# KiCad board MXKeyboard.kicad_pcb (continued)
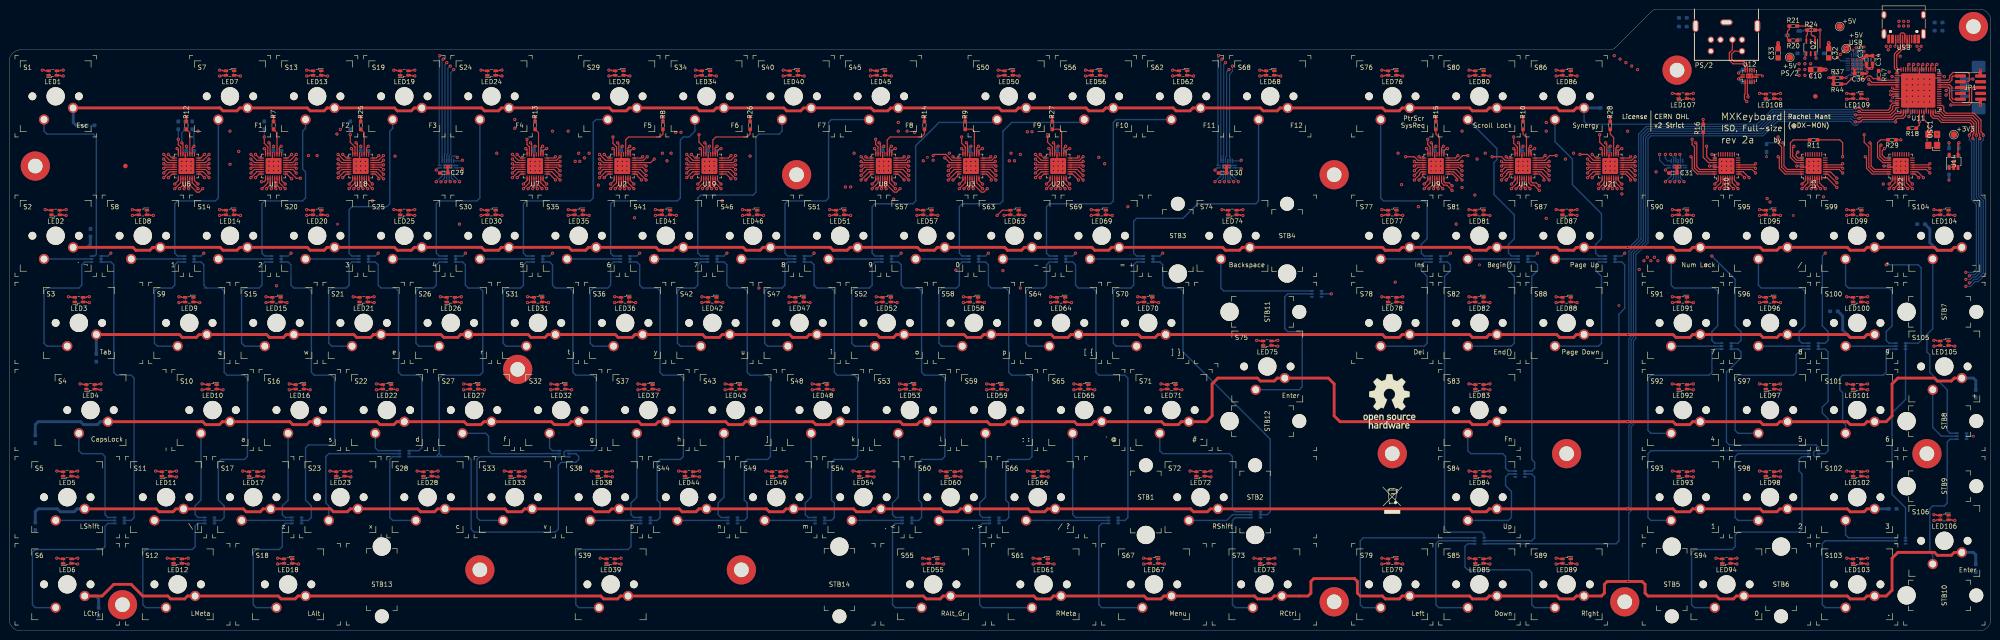
[diagram p0: board, top side]
## Routing (per net, layer and track width the routed paths; a pad name or vN(x,y) marks a point on that pad's centre or on a via; arc(x,y) is an arc through that point) (continued)
Net-(LED8-Pad3): length 33.5
  Top w0.254: v1(53.85,99.06) 54.64,99.85 U1.8 ; v1(26.92,90.81) 27.43,90.81 27.57,90.94 LED8.3
  Route10 w0.254: v1(53.85,99.06) 53.09,98.3 50.67,98.3 49.53,97.16 48.89,97.16 43.81,92.08 29.84,92.08 28.58,90.81 v1(26.92,90.81)
Net-(LED9-Pad2): length 28.8
  Top w0.254: v1(36.19,97.66) 36.98,98.45 U6.9 ; LED9.2 37.73,72.89 37.59,73.03 v1(37.08,73.03)
  Route4 w0.254: v1(37.08,73.03) 37.08,74.68 36.83,74.93 36.83,94.87 35.43,96.27 35.43,96.9 v1(36.19,97.66)
Net-(LED9-Pad3): length 42.8
  Top w0.254: v1(55.12,98.17) 55.75,98.17 56.04,98.45 U1.9 ; LED9.3 37.73,71.89 37.59,71.76 v1(37.08,71.76)
  Route10 w0.254: v1(55.12,98.17) 53.98,98.17 53.47,97.66 51.05,97.66 49.91,96.52 49.28,96.52 44.2,91.44 40,91.44 39.37,90.81 39.37,72.39 38.73,71.76 v1(37.08,71.76)
Net-(LED10-Pad2): length 62.2
  Top w0.254: v1(36.19,96.65) 37.48,97.94 U6.10 ; v1(42.16,53.98) 42.67,53.98 42.81,53.84 LED10.2
  Route4 w0.254: v1(36.19,96.65) 37.47,95.38 37.47,75.57 38.1,74.93 47.62,74.93 48.26,74.3 48.26,56.52 45.72,53.98 v1(42.16,53.98)
Net-(LED10-Pad3): length 59.9
  Top w0.254: v1(55.24,96.65) 56.54,97.94 U1.10 ; v1(42.16,52.71) 42.67,52.71 42.81,52.84 LED10.3
  Route10 w0.254: v1(55.24,96.65) 56.52,95.38 56.52,78.11 55.88,77.47 48.89,77.47 48.26,76.84 48.26,57.15 43.81,52.71 v1(42.16,52.71)
Net-(LED11-Pad2): length 94.4
  Top w0.254: v1(37.21,96.65) 37.98,97.42 U6.11 ; v1(36.58,33.66) 36.07,33.66 35.93,33.79 LED11.2
  Route4 w0.254: v1(37.21,96.65) 38.1,95.76 38.1,76.2 38.73,75.57 48.26,75.57 48.89,74.93 48.89,56.52 49.53,55.88 51.43,55.88 52.07,55.25 52.07,38.1 51.43,37.47 45.72,37.47 45.08,36.83 45.08,34.29 44.45,33.66 v1(36.58,33.66)
Net-(LED11-Pad3): length 86.1
  Top w0.254: v1(56.26,96.65) 57.04,97.42 U1.11 ; v1(36.58,34.93) 36.07,34.93 35.93,34.79 LED11.3
  Route10 w0.254: v1(36.58,34.93) 42.55,34.93 52.07,44.45 52.07,55.25 51.43,55.88 49.53,55.88 48.89,56.52 48.89,76.2 49.53,76.84 56.52,76.84 57.15,77.47 57.15,95.76 v1(56.26,96.65)
Net-(LED12-Pad2): length 111.2
  Top w0.254: v1(38.23,96.65) 38.48,96.91 U6.12 ; LED12.2 38.47,14.74 38.61,14.61 v1(39.12,14.61)
  Route4 w0.254: v1(38.23,96.65) 38.73,96.14 38.73,76.84 39.37,76.2 48.89,76.2 49.53,75.57 49.53,57.15 50.17,56.52 52.07,56.52 52.7,55.88 52.7,37.47 52.07,36.83 46.36,36.83 45.72,36.2 45.72,15.24 45.08,14.61 v1(39.12,14.61)
Net-(LED12-Pad3): length 103.3
  Top w0.254: v1(57.28,96.65) 57.54,96.91 U1.12 ; LED12.3 38.47,15.74 38.61,15.88 v1(39.12,15.88)
  Route10 w0.254: v1(39.12,15.88) 43.81,15.88 44.45,16.51 44.45,35.56 52.7,43.82 52.7,55.88 52.07,56.52 50.17,56.52 49.53,57.15 49.53,75.57 50.17,76.2 57.15,76.2 57.79,76.84 57.79,96.14 v1(57.28,96.65)
Net-(LED13-Pad2): length 53.8
  Top w0.254: v1(39.24,96.65) 38.98,96.91 U6.13 ; v1(65.02,122.56) 65.53,122.56 65.67,122.42 LED13.2
  Route4 w0.254: v1(41.27,109.22) 40.64,109.86 40.64,119.38 41.27,120.02 59.69,120.02 62.23,122.56 v1(65.02,122.56)
  Route6 w0.254: v1(41.27,109.22) 41.66,108.84 41.66,99.7 39.24,97.28 v1(39.24,96.65)
Net-(LED13-Pad3): length 39.1
  Top w0.254: U1.13 58.04,96.91 v1(58.29,96.65) ; v1(65.02,121.29) 65.53,121.29 65.67,121.42 LED13.3
  Route4 w0.254: v1(65.4,103.89) 65.4,96.39 64.77,95.76 59.18,95.76 v1(58.29,96.65)
  Route10 w0.254: v1(65.02,121.29) 65.02,119 64.14,118.11 64.14,115.57 67.31,112.4 67.31,110.49 65.4,108.59 v1(65.4,103.89)
Net-(LED14-Pad2): length 17
  Top w0.254: v1(42.29,96.65) 41.53,95.89 41.02,95.89 39.48,97.42 U6.14 ; v1(45.97,92.08) 46.48,92.08 46.62,91.94 LED14.2
  Route4 w0.254: v1(45.97,92.08) 41.27,92.08 40.64,92.71 40.64,95 v1(42.29,96.65)
Net-(LED14-Pad3): length 22.8
  Top w0.254: v1(59.31,96.65) 58.54,97.42 U1.14 ; LED14.3 46.62,90.94 46.48,90.81 v1(45.97,90.81)
  Route10 w0.254: v1(59.31,96.65) 58.55,97.41 54.86,97.41 53.98,96.52 53.98,92.71 53.34,92.08 48.89,92.08 47.62,90.81 v1(45.97,90.81)
Net-(LED15-Pad2): length 43.5
  Top w0.254: v1(41.27,96.65) 39.98,97.94 U6.15 ; LED15.2 56.78,72.89 56.64,73.03 v1(56.13,73.03)
  Route4 w0.254: v1(56.13,73.03) 51.43,73.03 50.8,73.66 50.8,76.84 50.17,77.47 40.64,77.47 40,78.11 40,95.38 v1(41.27,96.65)
Net-(LED15-Pad3): length 32.5
  Top w0.254: v1(60.33,96.65) 59.04,97.94 U1.15 ; LED15.3 56.78,71.89 56.64,71.76 v1(56.13,71.76)
  Route10 w0.254: v1(60.33,96.65) 59.05,95.38 59.05,76.84 59.69,76.2 59.69,73.66 57.79,71.76 v1(56.13,71.76)
Net-(LED16-Pad2): length 67.6
  Top w0.254: v1(41.27,97.66) 40.48,98.45 U6.16 ; v1(61.21,53.98) 61.72,53.98 61.86,53.84 LED16.2
  Route4 w0.254: v1(41.27,97.66) 39.37,95.76 39.37,77.47 40,76.84 49.53,76.84 50.17,76.2 50.17,57.79 50.8,57.15 52.7,57.15 53.34,56.52 53.34,54.61 53.98,53.98 v1(61.21,53.98)
Net-(LED16-Pad3): length 60.3
  Top w0.254: v1(60.33,97.66) 59.54,98.45 U1.16 ; LED16.3 61.86,52.84 61.72,52.71 v1(61.21,52.71)
  Route10 w0.254: v1(61.21,52.71) 62.86,52.71 67.95,57.79 67.95,76.2 67.31,76.84 60.33,76.84 59.69,77.47 59.69,94.87 61.09,96.27 61.09,96.9 v1(60.33,97.66)
Net-(LED17-Pad2): length 103.8
  Top w0.254: v1(42.67,99.06) 41.88,99.85 U6.17 ; LED17.2 54.98,33.79 55.12,33.66 v1(55.63,33.66)
  Route4 w0.254: v1(42.67,99.06) 43.43,98.3 46.86,98.3 56.52,88.65 56.52,76.84 57.15,76.2 67.95,76.2 68.58,75.57 68.58,56.52 69.21,55.88 70.48,55.88 71.12,55.25 71.12,38.1 70.48,37.47 64.77,37.47 64.14,36.83 64.14,34.29 63.5,33.66 v1(55.63,33.66)
Net-(LED17-Pad3): length 86.9
  Top w0.254: v1(61.72,98.81) 60.68,99.85 U1.17 ; v1(55.63,34.93) 55.12,34.93 54.98,34.79 LED17.3
  Route10 w0.254: v1(61.72,98.81) 61.72,95.89 60.33,94.49 60.33,78.11 60.96,77.47 67.95,77.47 68.58,76.84 68.58,56.52 69.21,55.88 70.48,55.88 71.12,55.25 71.12,44.45 61.59,34.93 v1(55.63,34.93)
Net-(LED18-Pad2): length 120.2
  Top w0.254: v1(43.69,99.06) 42.4,100.35 U6.18 ; v1(58.67,15.88) 59.18,15.88 59.32,15.74 LED18.2
  Route4 w0.254: v1(58.67,15.88) 64.14,15.88 64.77,16.51 64.77,36.2 65.4,36.83 71.12,36.83 71.76,37.47 71.76,55.88 71.12,56.52 69.85,56.52 69.21,57.15 69.21,76.2 68.58,76.84 57.79,76.84 57.15,77.47 57.15,89.03 47.12,99.06 v1(43.69,99.06)
Net-(LED18-Pad3): length 113.1
  Top w0.254: v1(63.63,98.93) 62.74,98.93 61.32,100.35 U1.18 ; LED18.3 59.32,14.74 59.18,14.61 v1(58.67,14.61)
  Route10 w0.254: v1(63.63,98.93) 66.04,98.93 76.83,88.14 76.83,77.47 76.2,76.84 69.85,76.84 69.21,76.2 69.21,57.15 69.85,56.52 71.12,56.52 71.76,55.88 71.76,43.82 64.77,36.83 64.77,16.51 64.14,15.88 61.59,15.88 60.33,14.61 v1(58.67,14.61)
Net-(LED19-Pad2): length 62.5
  Top w0.254: v1(43.69,100.08) 42.91,100.85 U6.19 ; LED19.2 88,121.42 88.14,121.29 v1(88.65,121.29)
  Route4 w0.254: v1(48.26,109.22) 50.8,111.76 53.98,111.76 62.23,120.02 76.2,120.02 77.47,121.29 v1(88.65,121.29)
  Route6 w0.254: v1(48.26,109.22) 45.72,109.22 45.08,108.59 45.08,100.71 44.45,100.08 v1(43.69,100.08)
Net-(LED19-Pad3): length 43.7
  Top w0.254: v1(62.74,100.08) 61.96,100.85 U1.19 ; v1(88.65,122.56) 88.14,122.56 88,122.42 LED19.3
  Route6 w0.254: v1(67.31,103.89) 67.31,103.76 63.63,100.08 v1(62.74,100.08)
  Route10 w0.254: v1(88.65,122.56) 86.99,122.56 85.73,121.29 77.47,121.29 76.83,120.65 76.83,116.21 67.31,106.68 v1(67.31,103.89)
Net-(LED20-Pad2): length 29.8
  Top w0.254: v1(43.69,101.09) 43.43,101.35 U6.20 ; v1(65.02,92.08) 65.53,92.08 65.67,91.94 LED20.2
  Route4 w0.254: v1(48.26,101.98) 58.17,92.08 v1(65.02,92.08)
  Route10 w0.254: v1(48.26,101.98) 47.37,101.09 v1(43.69,101.09)
Net-(LED20-Pad3): length 16.8
  Top w0.254: v1(62.74,101.09) 62.48,101.35 U1.20 ; v1(65.02,90.81) 65.53,90.81 65.67,90.94 LED20.3
  Route10 w0.254: v1(65.02,90.81) 63.5,90.81 62.86,91.44 62.86,98.81 61.98,99.7 61.98,100.46 62.61,101.09 v1(62.74,101.09)
Net-(LED21-Pad2): length 61.8
  Top w0.254: v1(43.69,102.11) 43.43,101.85 U6.21 ; v1(79.76,71.76) 79.25,71.76 79.11,71.89 LED21.2
  Route4 w0.254: v1(79.76,71.76) 78.11,71.76 77.47,72.39 77.47,76.84 76.83,77.47 58.42,77.47 57.79,78.11 57.79,89.41 45.08,102.11 v1(43.69,102.11)
Net-(LED21-Pad3): length 41.7
  Top w0.254: v1(62.74,102.11) 62.48,101.85 U1.21 ; v1(79.76,73.03) 79.25,73.03 79.11,72.89 LED21.3
  Route10 w0.254: v1(79.76,73.03) 78.11,73.03 77.47,73.66 77.47,88.52 63.88,102.11 v1(62.74,102.11)
Net-(LED22-Pad2): length 90.8
  Top w0.254: v1(43.69,103.12) 42.91,102.35 U6.22 ; v1(80.26,53.98) 80.77,53.98 80.91,53.84 LED22.2
  Route4 w0.254: v1(43.69,103.12) 45.08,103.12 58.42,89.79 58.42,78.74 59.05,78.11 85.09,78.11 85.73,77.47 85.73,56.52 83.18,53.98 v1(80.26,53.98)
Net-(LED22-Pad3): length 72.6
  Top w0.254: v1(62.74,103.12) 61.96,102.35 U1.22 ; v1(80.26,52.71) 80.77,52.71 80.91,52.84 LED22.3
  Route10 w0.254: v1(80.26,52.71) 81.92,52.71 86.36,57.15 86.36,74.93 85.73,75.57 78.74,75.57 78.11,76.2 78.11,88.9 63.88,103.12 v1(62.74,103.12)
Net-(LED23-Pad2): length 126.1
  Top w0.254: v1(43.69,104.14) 42.4,102.85 U6.23 ; LED23.2 74.03,33.79 74.17,33.66 v1(74.68,33.66)
  Route4 w0.254: v1(43.69,104.14) 45.08,104.14 59.05,90.17 59.05,79.38 59.69,78.74 85.73,78.74 86.36,78.11 86.36,56.52 86.99,55.88 89.54,55.88 90.17,55.25 90.17,36.83 89.54,36.2 82.55,36.2 81.92,35.56 81.92,34.29 81.28,33.66 v1(74.68,33.66)
Net-(LED23-Pad3): length 100.8
  Top w0.254: 74.64,34.89 v1(74.68,34.93) 74.17,34.93 74.03,34.79 LED23.3 ; v1(62.74,104.14) 61.45,102.85 U1.23
  Route10 w0.254: v1(62.74,104.14) 63.88,104.14 78.74,89.28 78.74,76.84 79.37,76.2 86.99,76.2 87.63,75.57 87.63,56.52 88.27,55.88 89.54,55.88 90.17,55.25 90.17,44.45 80.64,34.93 v1(74.68,34.93)
Net-(LED24-Pad2): length 78
  Top w0.254: v1(42.67,104.14) 41.88,103.35 U6.24 ; LED24.2 107.05,121.42 107.19,121.29 v1(107.7,121.29)
  Route4 w0.254: v1(42.67,104.14) 43.18,104.65 43.18,107.32 43.81,107.95 49.53,107.95 50.8,109.22 66.04,109.22 68.58,111.76 72.39,111.76 74.93,114.3 74.93,116.21 78.74,120.02 95.25,120.02 96.52,121.29 v1(107.7,121.29)
Net-(LED24-Pad3): length 72.9
  Top w0.254: v1(61.72,104.14) 60.93,103.35 U1.24 ; v1(107.7,122.56) 107.19,122.56 107.05,122.42 LED24.3
  Route10 w0.254: v1(107.7,122.56) 106.05,122.56 104.77,121.29 95.89,121.29 93.34,123.83 60.33,123.83 59.69,123.19 59.69,109.47 61.72,107.44 v1(61.72,104.14)
Net-(LED25-Pad2): length 31.7
  Top w0.254: v1(111,104.14) 111.79,103.35 U7.1 ; LED25.2 88,90.94 88.14,90.81 v1(88.65,90.81)
  Route4 w0.254: v1(88.65,90.81) 95,90.81 109.09,104.9 110.24,104.9 v1(111,104.14)
Net-(LED25-Pad3): length 78.3
  Top w0.254: v1(130.05,104.14) 130.84,103.35 U2.1 ; LED25.3 88,91.94 88.14,92.08 v1(88.65,92.08)
  Route10 w0.254: v1(130.05,104.14) 129.29,104.9 128.65,104.9 125.35,101.6 125.35,101.35 113.67,89.66 113.67,77.47 113.03,76.84 96.52,76.84 95.89,77.47 95.89,91.44 95.25,92.08 v1(88.65,92.08)
Net-(LED26-Pad2): length 45.7
  Top w0.254: v1(109.98,104.14) 111.27,102.85 U7.2 ; LED26.2 98.16,71.89 98.3,71.76 v1(98.81,71.76)
  Route4 w0.254: v1(109.98,104.14) 109.35,104.14 95.25,90.04 95.25,75.57 96.52,74.3 96.52,72.39 97.15,71.76 v1(98.81,71.76)
Net-(LED26-Pad3): length 56
  Top w0.254: v1(129.03,104.14) 130.32,102.85 U2.2 ; LED26.3 98.16,72.89 98.3,73.03 v1(98.81,73.03)
  Route10 w0.254: v1(98.81,73.03) 103.51,73.03 104.14,73.66 104.14,75.57 104.77,76.2 113.67,76.2 114.3,76.84 114.3,89.28 125.98,100.97 125.98,101.22 128.9,104.14 v1(129.03,104.14)
Net-(LED27-Pad2): length 71.6
  Top w0.254: v1(109.98,103.12) 110.76,102.35 U7.3 ; v1(99.31,53.98) 99.82,53.98 99.96,53.84 LED27.2
  Route4 w0.254: v1(99.31,53.98) 102.23,53.98 104.77,56.52 104.77,74.93 104.14,75.57 96.52,75.57 95.89,76.2 95.89,89.66 109.35,103.12 v1(109.98,103.12)
Net-(LED27-Pad3): length 73.1
  Top w0.254: v1(129.03,103.12) 129.81,102.35 U2.3 ; v1(99.31,52.71) 99.82,52.71 99.96,52.84 LED27.3
  Route10 w0.254: v1(99.31,52.71) 100.96,52.71 104.77,56.52 104.77,74.93 105.41,75.57 114.3,75.57 114.93,76.2 114.93,88.9 126.62,100.58 126.62,100.84 128.9,103.12 v1(129.03,103.12)
Net-(LED28-Pad2): length 102.5
  Top w0.254: v1(109.98,102.11) 110.24,101.85 U7.4 ; LED28.2 93.08,33.79 93.22,33.66 v1(93.73,33.66)
  Route4 w0.254: v1(109.98,102.11) 109.35,102.11 96.52,89.28 96.52,76.84 97.15,76.2 104.77,76.2 105.41,75.57 105.41,56.52 109.22,52.71 109.22,36.83 108.58,36.2 101.6,36.2 100.96,35.56 100.96,34.29 100.33,33.66 v1(93.73,33.66)
Net-(LED28-Pad3): length 97.7
  Top w0.254: v1(129.03,102.11) 129.29,101.85 U2.4 ; v1(93.73,34.93) 93.22,34.93 93.08,34.79 LED28.3
  Route10 w0.254: v1(93.73,34.93) 99.7,34.93 109.22,44.45 109.22,52.71 105.41,56.52 105.41,74.3 106.05,74.93 114.93,74.93 115.57,75.57 115.57,88.52 127.25,100.2 127.25,100.46 128.9,102.11 v1(129.03,102.11)
Net-(LED29-Pad2): length 40.4
  Top w0.254: v1(109.98,101.09) 110.24,101.35 U7.5 ; LED29.2 131.71,122.42 131.57,122.56 v1(131.06,122.56)
  Route4 w0.254: v1(110.49,109.86) 123.19,122.56 v1(131.06,122.56)
  Route6 w0.254: v1(109.98,101.09) 109.22,101.09 108.58,101.73 108.58,107.95 v1(110.49,109.86)
Net-(LED29-Pad3): length 33.8
  Top w0.254: v1(129.03,101.09) 129.29,101.35 U2.5 ; v1(131.06,121.29) 131.57,121.29 131.71,121.42 LED29.3
  Route6 w0.254: v1(125.73,103.38) 125.73,101.73 126.36,101.09 v1(129.03,101.09)
  Route10 w0.254: v1(125.73,103.38) 125.73,113.67 124.46,114.94 124.46,120.65 125.09,121.29 v1(131.06,121.29)
Net-(LED30-Pad2): length 16
  Top w0.254: v1(109.98,100.08) 110.76,100.85 U7.6 ; v1(103.12,92.08) 103.63,92.08 103.77,91.94 LED30.2
  Route4 w0.254: v1(109.98,100.08) 108.33,100.08 103.12,94.87 v1(103.12,92.08)
Net-(LED30-Pad3): length 37.3
  Top w0.254: U2.6 129.81,100.85 v1(129.03,100.08) ; LED30.3 103.77,90.94 103.63,90.81 v1(103.12,90.81)
  Route6 w0.254: v1(124.71,102.62) 124.71,101.35 125.98,100.08 v1(129.03,100.08)
  Route10 w0.254: v1(103.12,90.81) 104.77,90.81 106.05,92.08 115.06,92.08 124.71,101.73 v1(124.71,102.62)
Net-(LED31-Pad2): length 31.8
  Top w0.254: v1(109.98,99.06) 111.27,100.35 U7.7 ; LED31.2 113.93,72.89 113.79,73.03 v1(113.28,73.03)
  Route4 w0.254: v1(109.98,99.06) 110.36,98.68 110.36,95.76 112.39,93.73 112.39,73.91 v1(113.28,73.03)
Net-(LED31-Pad3): length 40.7
  Top w0.254: U2.7 130.32,100.35 v1(129.03,99.06) ; v1(113.28,71.76) 113.79,71.76 113.93,71.89 LED31.3
  Route10 w0.254: v1(113.28,71.76) 115.57,71.76 116.2,72.39 116.2,88.14 127.13,99.06 v1(129.03,99.06)
Net-(LED32-Pad2): length 63.1
  Top w0.254: v1(111,99.06) 111.79,99.85 U7.8 ; v1(118.36,53.98) 118.87,53.98 119.01,53.84 LED32.2
  Route4 w0.254: v1(111,99.06) 111,96.01 113.03,93.98 113.03,75.57 113.67,74.93 123.19,74.93 123.83,74.3 123.83,56.52 121.29,53.98 v1(118.36,53.98)
Net-(LED32-Pad3): length 62.4
  Top w0.254: v1(130.05,99.06) 130.84,99.85 U2.8 ; LED32.3 119.01,52.84 118.87,52.71 v1(118.36,52.71)
  Route10 w0.254: v1(130.05,99.06) 130.05,96.01 131.06,95 132.33,95 132.71,94.62 132.71,76.84 132.08,76.2 125.09,76.2 124.46,75.57 124.46,57.15 120.02,52.71 v1(118.36,52.71)
Net-(LED33-Pad2): length 95.8
  Top w0.254: v1(112.39,97.66) 113.18,98.45 U7.9 ; v1(112.78,33.66) 112.27,33.66 112.13,33.79 LED33.2
  Route4 w0.254: v1(112.78,33.66) 120.65,33.66 121.29,34.29 121.29,35.56 121.92,36.2 127.64,36.2 128.27,36.83 128.27,55.25 127.64,55.88 125.09,55.88 124.46,56.52 124.46,74.93 123.83,75.57 114.3,75.57 113.67,76.2 113.67,94.23 111.63,96.27 111.63,96.9 v1(112.39,97.66)
Net-(LED33-Pad3): length 86.9
  Top w0.254: v1(131.44,97.66) 132.24,98.45 U2.9 ; LED33.3 112.13,34.79 112.27,34.93 v1(112.78,34.93)
  Route10 w0.254: v1(112.78,34.93) 118.74,34.93 128.27,44.45 128.27,55.25 127.64,55.88 126.36,55.88 125.73,56.52 125.73,74.93 126.36,75.57 132.71,75.57 133.35,76.2 133.35,95.25 132.71,95.89 131.06,95.89 130.68,96.27 130.68,97.03 131.32,97.66 v1(131.44,97.66)
Net-(LED34-Pad2): length 70.5
  Top w0.254: v1(112.39,96.65) 113.68,97.94 U7.10 ; v1(149.99,122.56) 150.5,122.56 150.63,122.42 LED34.2
  Route4 w0.254: v1(110.49,111.76) 122.55,123.83 148.72,123.83 v1(149.99,122.56)
  Route6 w0.254: v1(110.49,111.76) 107.31,108.59 107.31,97.28 107.95,96.65 v1(112.39,96.65)
Net-(LED34-Pad3): length 58.3
  Top w0.254: v1(131.44,96.65) 132.74,97.94 U2.10 ; v1(149.99,121.29) 150.5,121.29 150.63,121.42 LED34.3
  Route6 w0.254: v1(126.75,104.39) 127.51,105.16 130.3,105.16 131.19,104.27 131.19,99.06 132.21,98.04 132.21,97.41 v1(131.44,96.65)
  Route10 w0.254: v1(126.75,104.39) 126.75,114.55 125.73,115.57 125.73,119.38 126.36,120.02 140.97,120.02 142.24,121.29 v1(149.99,121.29)
Net-(LED35-Pad2): length 19.5
  Top w0.254: v1(113.41,96.65) 114.18,97.42 U7.11 ; LED35.2 122.82,91.94 122.68,92.08 v1(122.17,92.08)
  Route4 w0.254: v1(122.17,92.08) 118.87,92.08 118.24,92.71 118.24,98.04 117.73,98.55 115.32,98.55 v1(113.41,96.65)
Net-(LED35-Pad3): length 19
  Top w0.254: v1(132.46,96.65) 133.24,97.42 U2.11 ; v1(122.17,90.81) 122.68,90.81 122.82,90.94 LED35.3
  Route6 w0.254: v1(122.17,90.81) 123.83,90.81 125.09,92.08 131.57,92.08 132.46,92.96 v1(132.46,96.65)
Net-(LED36-Pad2): length 43.8
  Top w0.254: v1(114.43,96.65) 114.68,96.91 U7.12 ; v1(132.33,73.03) 132.84,73.03 132.98,72.89 LED36.2
  Route4 w0.254: v1(132.33,73.03) 131.06,74.3 127.64,74.3 127,74.93 127,75.57 126.36,76.2 114.93,76.2 114.3,76.84 114.3,96.52 v1(114.43,96.65)
Net-(LED36-Pad3): length 30.3
  Top w0.254: v1(133.48,96.65) 133.74,96.91 U2.12 ; v1(132.33,71.76) 132.84,71.76 132.98,71.89 LED36.3
  Route10 w0.254: v1(132.33,71.76) 133.35,71.76 133.99,72.39 133.99,96.14 v1(133.48,96.65)
Net-(LED37-Pad2): length 76
  Top w0.254: v1(115.44,96.65) 115.18,96.91 U7.13 ; v1(137.41,53.98) 137.92,53.98 138.06,53.84 LED37.2
  Route4 w0.254: v1(137.41,53.98) 139.7,53.98 142.24,56.52 142.24,74.3 141.61,74.93 128.27,74.93 127.64,75.57 127.64,76.2 127,76.84 115.57,76.84 114.93,77.47 114.93,96.14 v1(115.44,96.65)
Net-(LED37-Pad3): length 59.6
  Top w0.254: v1(134.49,96.65) 134.24,96.91 U2.13 ; LED37.3 138.06,52.84 137.92,52.71 v1(137.41,52.71)
  Route10 w0.254: v1(137.41,52.71) 139.06,52.71 143.51,57.15 143.51,74.3 142.88,74.93 135.25,74.93 134.62,75.57 134.62,96.52 v1(134.49,96.65)
Net-(LED38-Pad2): length 111.4
  Top w0.254: v1(116.46,96.65) 115.68,97.42 U7.14 ; v1(131.83,33.66) 131.32,33.66 131.18,33.79 LED38.2
  Route4 w0.254: v1(131.83,33.66) 137.16,33.66 137.8,34.29 137.8,36.83 138.43,37.47 146.69,37.47 147.32,38.1 147.32,55.25 146.69,55.88 143.51,55.88 142.88,56.52 142.88,74.93 142.24,75.57 128.9,75.57 128.27,76.2 128.27,76.84 127.64,77.47 116.2,77.47 115.57,78.11 115.57,95.76 v1(116.46,96.65)
Net-(LED38-Pad3): length 86.5
  Top w0.254: v1(135.51,96.65) 134.74,97.42 U2.14 ; v1(131.83,34.93) 131.32,34.93 131.18,34.79 LED38.3
  Route10 w0.254: v1(131.83,34.93) 137.8,34.93 147.32,44.45 147.32,55.25 146.69,55.88 144.78,55.88 144.14,56.52 144.14,74.93 143.51,75.57 135.89,75.57 135.25,76.2 135.25,96.39 v1(135.51,96.65)
Net-(LED39-Pad2): length 129.6
  Top w0.254: v1(117.48,96.65) 116.18,97.94 U7.15 ; v1(133.73,14.61) 133.22,14.61 133.09,14.74 LED39.2
  Route4 w0.254: v1(133.73,14.61) 137.8,14.61 138.43,15.24 138.43,36.2 139.06,36.83 147.32,36.83 147.95,37.47 147.95,55.88 147.32,56.52 144.14,56.52 143.51,57.15 143.51,75.57 142.88,76.2 129.54,76.2 128.9,76.84 128.9,77.47 128.27,78.11 116.84,78.11 116.2,78.74 116.2,95.38 v1(117.48,96.65)
Net-(LED39-Pad3): length 104.6
  Top w0.254: v1(136.52,96.65) 135.24,97.94 U2.15 ; LED39.3 133.09,15.74 133.22,15.88 v1(133.73,15.88)
  Route10 w0.254: v1(133.73,15.88) 138.43,15.88 139.06,16.51 139.06,34.93 147.95,43.82 147.95,55.88 147.32,56.52 145.42,56.52 144.78,57.15 144.78,75.57 144.14,76.2 136.52,76.2 135.89,76.84 135.89,96.01 v1(136.52,96.65)
Net-(LED40-Pad2): length 75.3
  Top w0.254: v1(117.48,97.66) 116.68,98.45 U7.16 ; v1(169.16,122.56) 169.67,122.56 169.81,122.42 LED40.2
  Route4 w0.254: v1(118.74,109.22) 118.74,116.21 122.55,120.02 166.62,120.02 v1(169.16,122.56)
  Route6 w0.254: v1(118.74,109.22) 118.74,104.9 117.86,104.01 117.86,98.04 v1(117.48,97.66)
Net-(LED40-Pad3): length 57.3
  Top w0.254: v1(136.52,97.66) 135.74,98.45 U2.16 ; v1(169.16,121.29) 169.67,121.29 169.81,121.42 LED40.3
  Route6 w0.254: v1(136.52,97.66) 136.52,99.06 137.16,99.7 137.16,101.6 137.92,102.36 139.57,102.36 140.33,101.6 142.62,101.6 v1(143.76,102.74)
  Route10 w0.254: v1(143.76,102.74) 143.76,110.74 144.78,111.76 144.78,119.38 145.42,120.02 167.89,120.02 v1(169.16,121.29)
Net-(LED41-Pad2): length 28.5
  Top w0.254: v1(119.38,98.55) 118.08,99.85 U7.17 ; LED41.2 141.87,91.94 141.73,92.08 v1(141.22,92.08)
  Route4 w0.254: v1(141.22,92.08) 133.99,92.08 128.78,97.28 v1(128.78,97.41)
  Route6 w0.254: v1(128.78,97.41) 128.65,97.41 128.52,97.54 120.4,97.54 v1(119.38,98.55)
Net-(LED41-Pad3): length 13.3
  Top w0.254: v1(138.18,98.55) 137.29,99.44 137.29,99.7 137.13,99.85 U2.17 ; v1(141.22,90.81) 141.73,90.81 141.87,90.94 LED41.3
  Route10 w0.254: v1(141.22,90.81) 140.33,90.81 139.7,91.44 139.7,97.03 v1(138.18,98.55)
Net-(LED42-Pad2): length 53.7
  Top w0.254: v1(120.4,98.55) 118.6,100.35 U7.18 ; v1(151.38,73.03) 151.89,73.03 152.03,72.89 LED42.2
  Route4 w0.254: v1(151.38,73.03) 150.11,74.3 146.69,74.3 146.05,74.93 146.05,76.2 145.42,76.84 133.35,76.84 132.71,77.47 132.71,88.27 122.43,98.55 v1(120.4,98.55)
Net-(LED42-Pad3): length 40.4
  Top w0.254: v1(139.19,98.55) 137.39,100.35 U2.18 ; LED42.3 152.03,71.89 151.89,71.76 v1(151.38,71.76)
  Route10 w0.254: v1(139.19,98.55) 141.35,98.55 151.76,88.14 151.76,75.57 151.13,74.93 150.5,74.93 149.86,74.3 149.86,72.39 150.5,71.76 v1(151.38,71.76)
Net-(LED43-Pad2): length 86.8
  Top w0.254: v1(120.4,99.57) 119.11,100.85 U7.19 ; LED43.2 157.11,53.84 156.97,53.98 v1(156.46,53.98)
  Route4 w0.254: v1(156.46,53.98) 158.75,53.98 161.29,56.52 161.29,74.3 160.65,74.93 147.32,74.93 146.69,75.57 146.69,76.84 146.05,77.47 133.99,77.47 133.35,78.11 133.35,88.65 122.43,99.57 v1(120.4,99.57)
Net-(LED43-Pad3): length 70.4
  Top w0.254: U2.19 137.91,100.85 v1(139.19,99.57) ; LED43.3 157.11,52.84 156.97,52.71 v1(156.46,52.71)
  Route10 w0.254: v1(139.19,99.57) 141.35,99.57 152.4,88.52 152.4,75.57 153.04,74.93 160.65,74.93 162.56,73.03 162.56,57.15 158.12,52.71 v1(156.46,52.71)
Net-(LED44-Pad2): length 122.9
  Top w0.254: v1(120.4,100.58) 119.63,101.35 U7.20 ; v1(150.88,33.66) 150.37,33.66 150.23,33.79 LED44.2
  Route4 w0.254: v1(150.88,33.66) 157.48,33.66 158.12,34.29 158.12,35.56 158.75,36.2 165.74,36.2 166.37,36.83 166.37,55.25 165.74,55.88 162.56,55.88 161.93,56.52 161.93,74.93 161.29,75.57 147.95,75.57 147.32,76.2 147.32,77.47 146.69,78.11 134.62,78.11 133.99,78.74 133.99,89.03 122.43,100.58 v1(120.4,100.58)
Net-(LED44-Pad3): length 97.7
  Top w0.254: U2.20 138.43,101.35 v1(139.19,100.58) ; v1(150.88,34.93) 150.37,34.93 150.23,34.79 LED44.3
  Route10 w0.254: v1(139.19,100.58) 141.35,100.58 153.04,88.9 153.04,76.2 153.67,75.57 161.29,75.57 163.83,73.03 163.83,56.52 164.46,55.88 165.74,55.88 166.37,55.25 166.37,44.45 156.84,34.93 v1(150.88,34.93)
Net-(LED45-Pad2): length 96.3
  Top w0.254: v1(120.4,101.6) 120.15,101.85 U7.21 ; LED45.2 188.86,122.42 188.72,122.56 v1(188.21,122.56)
  Route4 w0.254: 187.96,122.56 v1(188.21,122.56) 179.7,122.56 179.07,121.92 179.07,109.86 178.44,109.22 155.57,109.22 150.5,114.3 149.23,114.3 144.14,109.22 v1(122.17,109.22)
  Route6 w0.254: v1(122.17,109.22) 121.54,108.59 121.54,102.11 121.03,101.6 v1(120.4,101.6)
Net-(LED45-Pad3): length 75
  Top w0.254: v1(139.19,101.6) 138.94,101.85 U2.21 ; LED45.3 188.86,121.42 188.72,121.29 v1(188.21,121.29)
  Route4 w0.254: v1(139.19,101.6) 141.22,101.6 144.02,104.39 v1(144.65,104.39)
  Route10 w0.254: v1(188.21,121.29) 179.7,121.29 179.07,120.65 179.07,109.86 178.44,109.22 155.57,109.22 150.5,114.3 149.23,114.3 144.78,109.86 144.78,104.52 v1(144.65,104.39)
Net-(LED46-Pad2): length 51.4
  Top w0.254: v1(120.4,102.62) 120.13,102.35 U7.22 ; LED46.2 160.92,91.94 160.78,92.08 v1(160.27,92.08)
  Route4 w0.254: v1(123.7,102.62) 123.7,102.36 127.76,98.3 130.94,98.3 131.19,98.55 136.78,98.55 137.8,97.54 137.8,95.89 138.43,95.25 159.38,95.25 160.27,94.36 v1(160.27,92.08)
  Route10 w0.254: v1(120.4,102.62) v1(123.7,102.62)
Net-(LED46-Pad3): length 30.6
  Top w0.254: U2.22 140.2,102.35 v1(140.97,103.12) ; v1(160.27,90.81) 160.78,90.81 160.92,90.94 LED46.3
  Route10 w0.254: v1(140.97,103.12) 141.86,103.12 149.73,95.25 149.86,95.25 154.31,90.81 v1(160.27,90.81)
Net-(LED47-Pad2): length 74.4
  Top w0.254: v1(120.4,103.63) 119.61,102.85 U7.23 ; v1(170.43,73.03) 170.94,73.03 171.08,72.89 LED47.2
  Route4 w0.254: v1(120.4,103.63) 134.62,89.41 134.62,79.38 135.25,78.74 147.32,78.74 147.95,78.11 147.95,76.84 148.59,76.2 164.46,76.2 165.1,75.57 165.1,74.93 165.74,74.3 169.16,74.3 v1(170.43,73.03)
Net-(LED47-Pad3): length 58.7
  Top w0.254: v1(139.45,103.63) 138.66,102.85 U2.23 ; LED47.3 171.08,71.89 170.94,71.76 v1(170.43,71.76)
  Route10 w0.254: v1(170.43,71.76) 169.55,71.76 168.91,72.39 168.91,75.57 168.27,76.2 154.31,76.2 153.67,76.84 153.67,89.28 141.61,101.35 140.59,101.35 139.45,102.49 v1(139.45,103.63)
Net-(LED48-Pad2): length 107.7
  Top w0.254: v1(119.38,103.63) 119.1,103.35 U7.24 ; LED48.2 176.16,53.84 176.02,53.98 v1(175.51,53.98)
  Route4 w0.254: v1(175.51,53.98) 177.8,53.98 180.34,56.52 180.34,74.3 179.7,74.93 166.37,74.93 165.74,75.57 165.74,76.2 165.1,76.84 149.23,76.84 148.59,77.47 148.59,78.74 147.95,79.38 135.89,79.38 135.25,80.01 135.25,89.79 120.65,104.39 120.14,104.39 v1(119.38,103.63)